# Altium PCB RTM_SFP.PcbDoc (part 3 of 7) (continued)
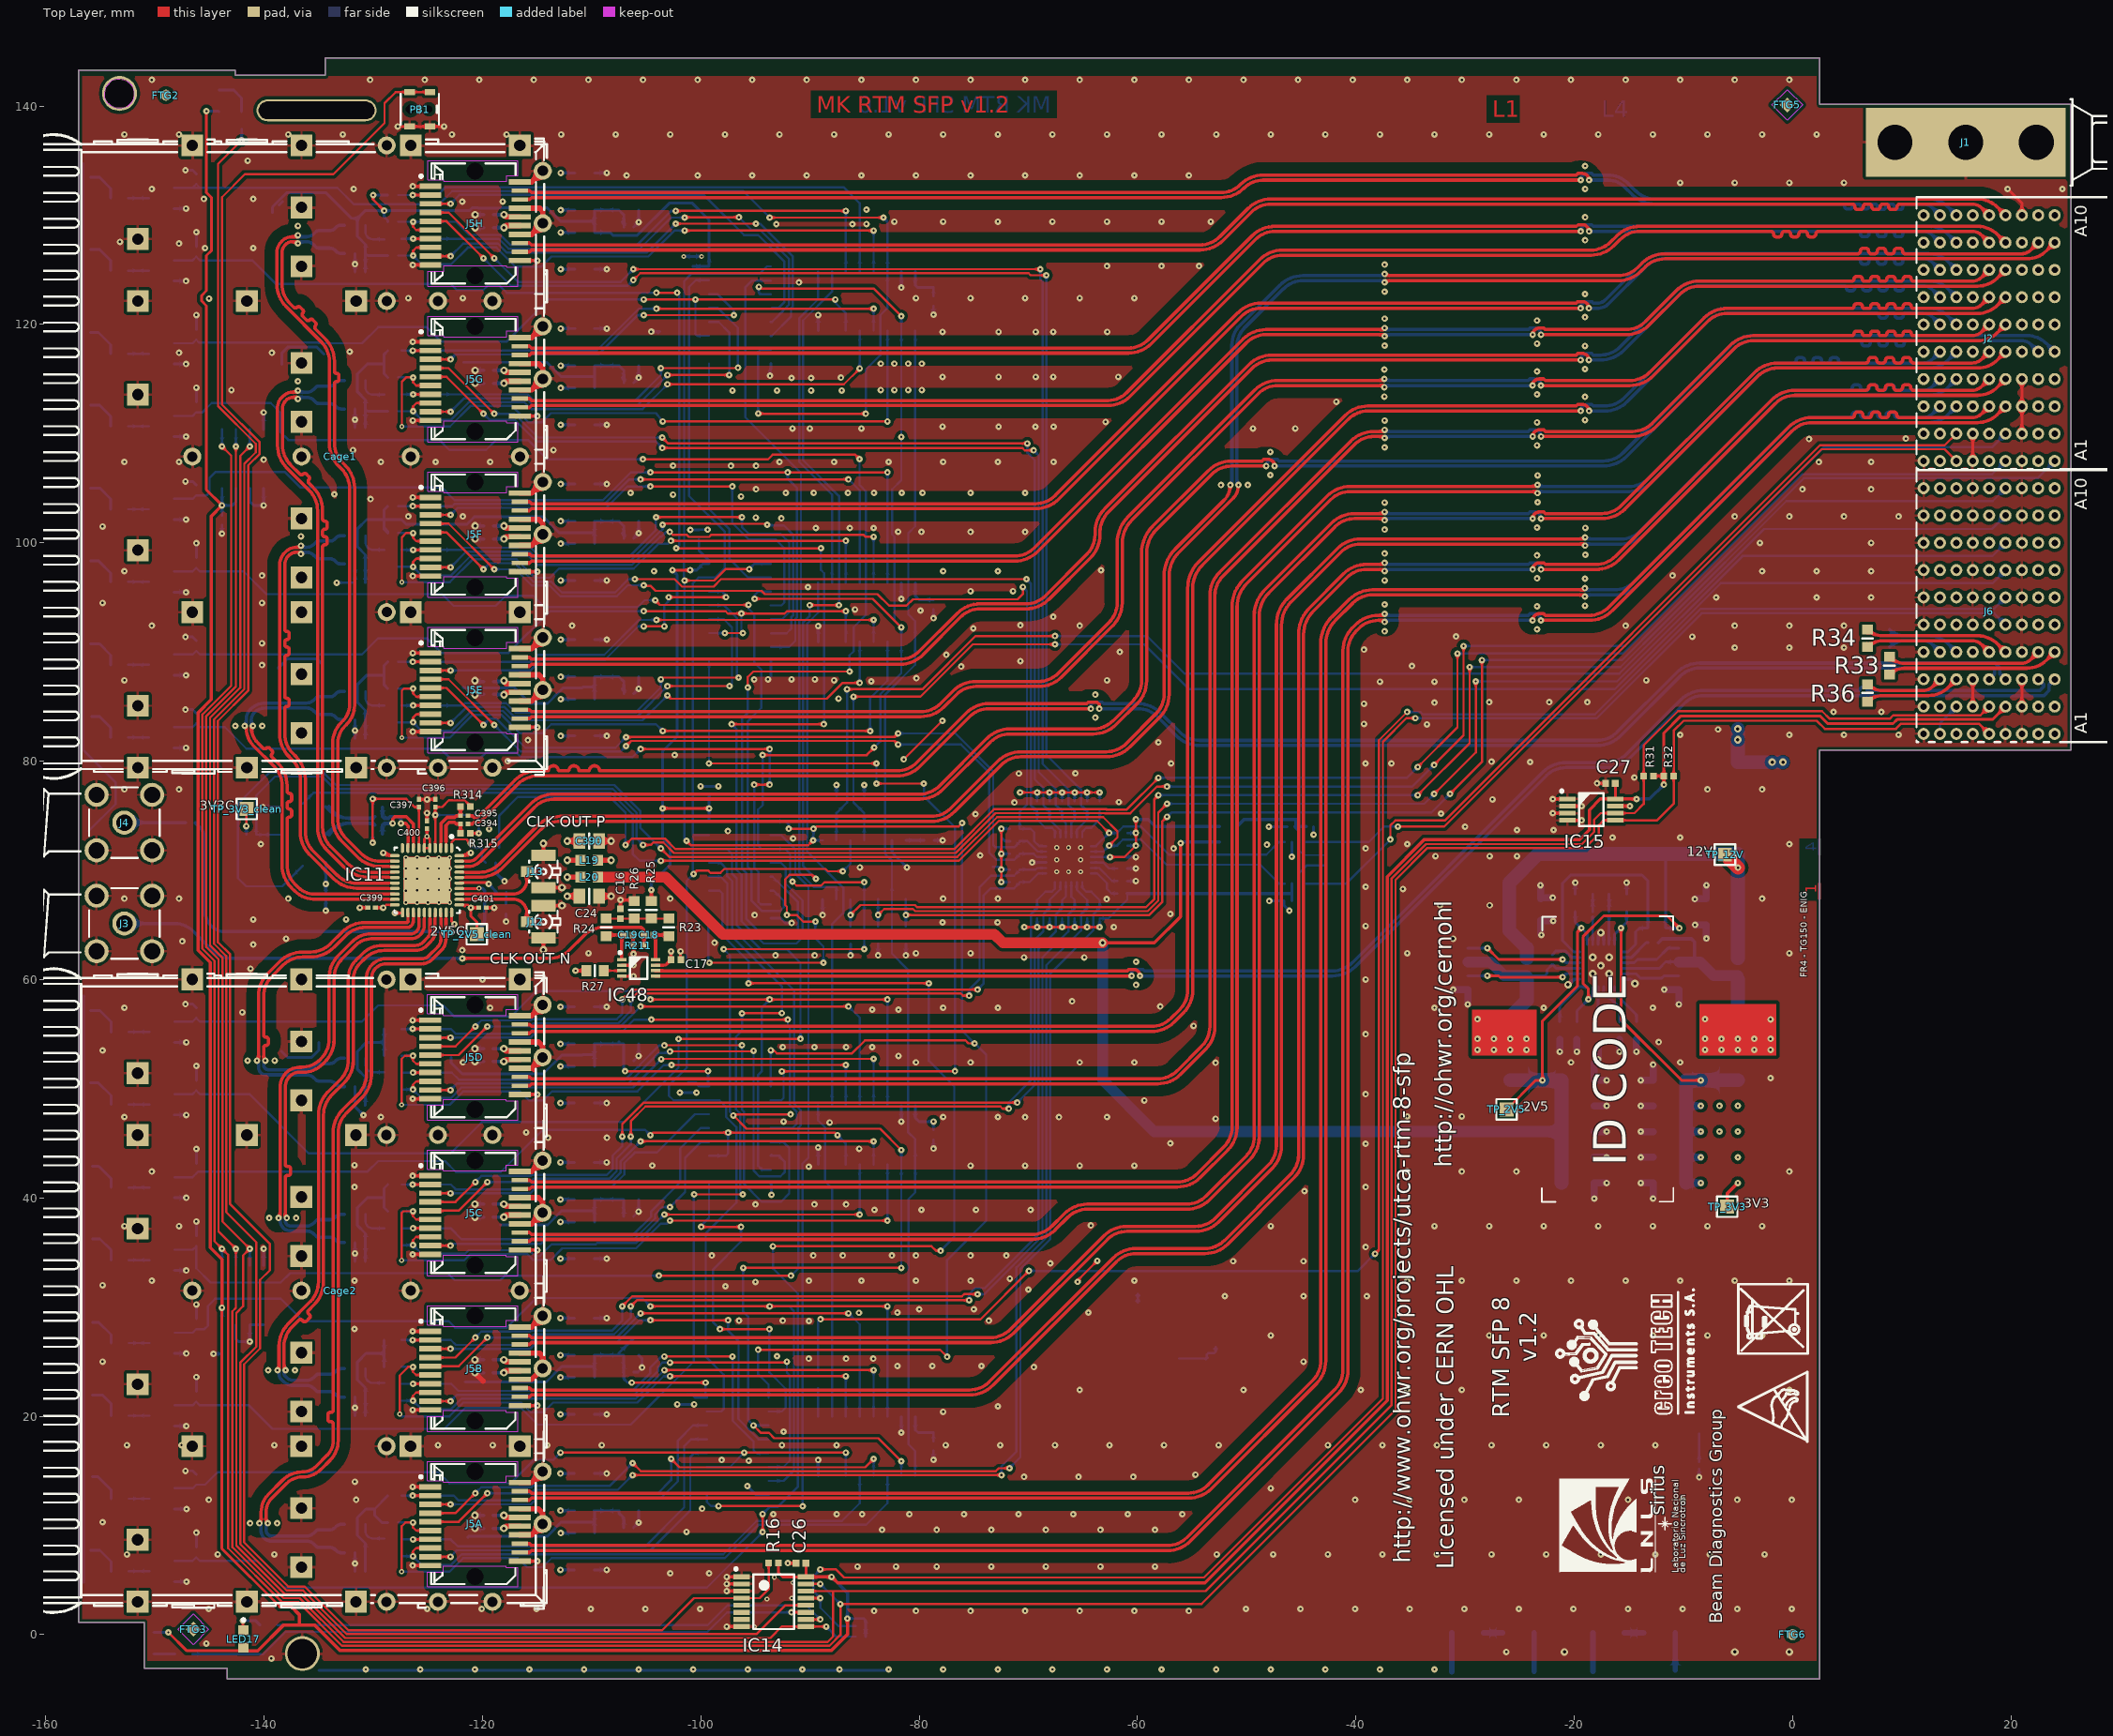
[diagram p0: Top Layer view]
## Nets (pads, with @x,y where several pads share a name; then routed paths per layer and width w, separated by ;. In a path a pad name is that pad's centre, name@x,y a point inside that pad or via, vN(x,y) a via of type N, cw(c..) or ccw(c..) an arc to the next point about the centre after c; other vN are vias at no path point) (continued)
  other v2: -20.9,-1.587 -5.3,-1.587 -0.3,-1.587 -18.31,60.53 -16.81,60.53 -17.56,61.28 -18.31,62.03 -16.81,62.03
  other v3: -95.086,0.725 -93.941,3.25 -91.675,3.335 -91.575,4.75 -93.275,5.25 -127.027,67.056 -126,67.056 -125,67.056 -124,67.056 -123,67.056 -127.027,68.125 -126,68.188 -125,68.19 -124,68.19 -123,68.19 -127.027,69.225 -124,69.225 -123,69.225 -67.415,69.875 -66.319,69.875 -65.219,69.87 -127.027,70.175 -126,70.175 -125,70.175 -124,70.173 -123,70.175 -67.415,70.975 -65.219,70.973 -127.027,71.154 -126,71.154 -125,71.154 -124,71.154 -123,71.154 -67.415,72.075 -66.319,72.075 -65.219,72.075
  other v5: -31.09,63.73 -27.75,66.8
I2C_RESETN: IC39.24 R28.1 | length 3.5
  Bottom Layer w0.203: IC39.24@-64.269,69.72 -63.7,69.72 -62.8,68.82 -62.8,68.28 -62.4,67.88 R28.1@-61.84,67.88
NetC5_1: C5.1 IC11.34 | length 40.7
  Top Layer w0.254: IC11.34@-122.08,68.34 -120.35,68.34 v6(-120.33,68.36)
  Bottom Layer w0.305: C5.1@-146.325,74.376 -145.877,73.928 cw(c-146.91,72.897) -145.45,72.897 -145.45,66.405 ccw(c-143.265,66.405) -144.81,64.86 ccw(c-143.651,66.019) -143.651,64.38 -121.046,64.38 ccw(c-121.046,65.626) -119.8,65.626 -119.8,68.01 ccw(c-120.15,68.01) -120.15,68.36 v6(-120.33,68.36)
NetC5_2: C5.2 J4.1 | length 5.6
  Bottom Layer w0.305: J4.1@-152.81,74.376 C5.2@-147.225,74.376
NetC11_1: C11.1 IC16.10 L1.1 T6.3 T6.7 T6.8 | length 20.8
  Bottom Layer w0.254: IC16.10@-15.61,61.03 -12.21,61.03 -11.625,61.615 T6.3@-10.42,61.615
  Bottom Layer w0.308: C11.1@-12.301,63.375 -11.946,63.73 -9.264,63.73 -8.986,63.452 -8.986,61.615
  Bottom Layer w1: T6.3@-10.42,61.615 -8.986,61.615 -8.485,61.615 -7.215,60.345 T6.7@-5.02,60.345
  Bottom Layer w1.27: L1.1@-5.02,55.99 L1.1@-5.02,56.57 T6.8@-5.02,59.075 -5.02,60.01
  other v1: -8.02,53.57 -6.52,53.57 -5.02,53.57 -3.52,53.57 -2.02,53.57 -8.02,54.57 -6.52,54.57 -5.02,54.57 -3.52,54.57 -2.02,54.57 -8.02,56.37 -2.02,56.36
NetC11_2: C11.2 IC16.8 | length 3
  Bottom Layer w0.254: IC16.8@-15.61,62.03 -14.75,62.03 -13.405,63.375 C11.2@-13.201,63.375
NetC16_1: C16.1 R23.1 R24.1 R25.2 R26.2 | length 5.3
  Top Layer w0.203: R24.1@-108.38,65.58 C16.1@-107.36,65.58 R26.2@-106.09,65.58 R25.2@-104.54,65.58 R23.1@-103.04,65.58
NetC18_1: C18.1 J3.1 R211.1 | length 51.1
  Top Layer w0.305: v1(-121.86,61.93) -113.872,61.93 ccw(c-113.872,64.47) -112.076,62.674 -110.714,64.036 cw(c-108.918,62.24) -108.918,64.78 -105.6,64.78 cw(c-105.6,64.393) -105.213,64.393 C18.1@-105.213,64.08 R211.1@-105.213,63.17
  Bottom Layer w0.305: J3.1@-152.81,65.136 -148.215,65.136 cw(c-148.215,62.725) -146.511,64.431 -144.754,62.674 ccw(c-142.958,64.47) -142.958,61.93 v1(-121.86,61.93)
NetC18_2: C18.2 IC48.8 R23.2 | length 3.5
  Top Layer w0.305: IC48.8@-104.15,61.81 -104.15,63.917 C18.2@-104.313,64.08 R23.2@-103.14,64.08
NetC19_2: C19.2 IC48.1 R24.2 | length 3.9
  Top Layer w0.305: R24.2@-108.68,63.98 -108.58,64.08 C19.2@-107.113,64.08 -107.25,63.943 IC48.1@-107.25,61.81
NetC28_1: C28.1 R29.1 | length 1
  Bottom Layer w0.254: R29.1@-117.836,66.96 C28.1@-117.829,68
NetC28_2: C28.2 IC11.35 | length 3.8
  Top Layer w0.254: IC11.35@-122.13,68.84 -122.106,68.864 -119.544,68.864 v1(-119.43,68.75)
  Bottom Layer w0.254: v1(-119.43,68.75) C28.2@-118.729,68
NetC29_1: C29.1 C31.1 IC17.3 L3.1 L4.1 R37.1 | length 13.7
  Bottom Layer w0.153: IC17.3@-45.225,72.59 -45.225,71.87 -44.754,71.4 R37.1@-42.8,71.4
  Bottom Layer w0.308: L4.1@-50.906,72.611 L3.1@-50.906,74 -50.231,74.675 -45.48,74.675 C29.1@-45.48,74 ; C29.1@-45.575,74 C29.1@-45.48,73.906 ; IC17.3@-45.225,72.59 -45.225,73.65 C29.1@-45.48,73.906 ; C31.1@-44.575,74 C29.1@-45.48,74 ; C29.1@-45.48,73.906 C29.1@-45.48,74
NetC207_2: C207.2 IC16.16 | length 2.5
  Bottom Layer w0.254: C207.2@-17.81,56.83 IC16.16@-17.81,59.33
NetC214A_1: C214A.1 C220A.1 J5A.16 L5A.2 | length 5.1
  Top Layer w0.5: v2(-118.048,10.92) -117.854,10.726 J5A.16@-116.59,10.726
  Bottom Layer w0.254: v1(-112.859,11.35) L5A.2@-111.564,11.35 ; v1(-112.859,14.75) C220A.1@-111.564,14.75
  Bottom Layer w0.3: C214A.1@-119.014,10.92 C214A.1@-119,10.92 v2(-118.048,10.92)
NetC214B_1: C214B.1 C220B.1 J5B.16 L5B.2 | length 5.1
  Top Layer w0.5: v2(-118.048,25.17) -117.854,24.976 J5B.16@-116.59,24.976
  Bottom Layer w0.254: v1(-112.859,25.6) L5B.2@-111.564,25.6 ; v1(-112.859,29) C220B.1@-111.564,29
  Bottom Layer w0.3: C214B.1@-119.014,25.17 C214B.1@-119,25.17 v2(-118.048,25.17)
NetC214C_1: C214C.1 C220C.1 J5C.16 L5C.2 | length 5.1
  Top Layer w0.5: v2(-118.048,39.42) -117.854,39.226 J5C.16@-116.59,39.226
  Bottom Layer w0.254: v1(-112.859,39.85) L5C.2@-111.564,39.85 ; v1(-112.859,43.25) C220C.1@-111.564,43.25
  Bottom Layer w0.3: C214C.1@-119.014,39.42 C214C.1@-119,39.42 v2(-118.048,39.42)
NetC214D_1: C214D.1 C220D.1 J5D.16 L5D.2 | length 5.1
  Top Layer w0.5: v2(-118.048,53.67) -117.854,53.476 J5D.16@-116.59,53.476
  Bottom Layer w0.254: v1(-112.859,54.1) L5D.2@-111.564,54.1 ; v1(-112.859,57.5) C220D.1@-111.564,57.5
  Bottom Layer w0.3: C214D.1@-119.014,53.67 C214D.1@-119,53.67 v2(-118.048,53.67)
NetC214E_1: C214E.1 C220E.1 J5E.16 L5E.2 | length 5.3
  Top Layer w0.5: v2(-118.03,87.38) -118.03,87.304 -118.034,87.3 -117.84,87.106 J5E.16@-116.575,87.106
  Bottom Layer w0.254: v1(-112.845,87.73) L5E.2@-111.55,87.73 ; v1(-112.845,91.13) C220E.1@-111.55,91.13
  Bottom Layer w0.3: C214E.1@-119,87.3 -118.034,87.3 -118.03,87.304 v2(-118.03,87.38)
NetC214F_1: C214F.1 C220F.1 J5F.16 L5F.2 | length 5.1
  Top Layer w0.5: v2(-118.034,101.55) -117.84,101.356 J5F.16@-116.575,101.356
  Bottom Layer w0.254: v1(-112.845,101.98) L5F.2@-111.55,101.98 ; v1(-112.845,105.38) C220F.1@-111.55,105.38
  Bottom Layer w0.3: C214F.1@-119,101.55 v2(-118.034,101.55)
NetC214G_1: C214G.1 C220G.1 J5G.16 L5G.2 | length 5.1
  Top Layer w0.5: v2(-118.034,115.8) -117.84,115.606 J5G.16@-116.575,115.606
  Bottom Layer w0.254: v1(-112.845,116.23) L5G.2@-111.55,116.23 ; v1(-112.845,119.63) C220G.1@-111.55,119.63
  Bottom Layer w0.3: C214G.1@-119,115.8 v2(-118.034,115.8)
NetC214H_1: C214H.1 C220H.1 J5H.16 L5H.2 | length 5.1
  Top Layer w0.5: v2(-118.034,130.05) -117.84,129.856 J5H.16@-116.575,129.856
  Bottom Layer w0.254: v1(-112.845,130.48) L5H.2@-111.55,130.48 ; v1(-112.845,133.88) C220H.1@-111.55,133.88
  Bottom Layer w0.3: C214H.1@-119,130.05 v2(-118.034,130.05)
NetC219A_1: C219A.1 C228A.1 J5A.15 L11A.2 | length 5.1
  Top Layer w0.5: v2(-118.048,9.735) -117.857,9.926 J5A.15@-116.59,9.926
  Bottom Layer w0.254: v1(-112.859,5.93) C219A.1@-111.564,5.93 ; v1(-112.845,9.3) L11A.2@-111.55,9.3
  Bottom Layer w0.3: C228A.1@-119.014,9.735 C228A.1@-119,9.735 v2(-118.048,9.735)
NetC219B_1: C219B.1 C228B.1 J5B.15 L11B.2 | length 5.1
  Top Layer w0.5: v2(-118.048,23.985) -117.857,24.176 J5B.15@-116.59,24.176
  Bottom Layer w0.254: v1(-112.859,20.18) C219B.1@-111.564,20.18 ; v1(-112.859,23.55) L11B.2@-111.564,23.55
  Bottom Layer w0.3: C228B.1@-119.014,23.985 C228B.1@-119,23.985 v2(-118.048,23.985)
NetC219C_1: C219C.1 C228C.1 J5C.15 L11C.2 | length 5.1
  Top Layer w0.5: v2(-118.048,38.235) -117.857,38.426 J5C.15@-116.59,38.426
  Bottom Layer w0.254: v1(-112.859,34.43) C219C.1@-111.564,34.43 ; v1(-112.859,37.8) L11C.2@-111.564,37.8
  Bottom Layer w0.3: C228C.1@-119.014,38.235 C228C.1@-119,38.235 v2(-118.048,38.235)
NetC219D_1: C219D.1 C228D.1 J5D.15 L11D.2 | length 5.1
  Top Layer w0.5: v2(-118.048,52.485) -117.857,52.676 J5D.15@-116.59,52.676
  Bottom Layer w0.254: v1(-112.859,48.68) C219D.1@-111.564,48.68 ; v1(-112.859,52.05) L11D.2@-111.564,52.05
  Bottom Layer w0.3: C228D.1@-119.014,52.485 C228D.1@-119,52.485 v2(-118.048,52.485)
NetC219E_1: C219E.1 C228E.1 J5E.15 L11E.2 | length 5.1
  Top Layer w0.5: v2(-118.03,86.09) -118.03,86.111 -118.034,86.115 -117.842,86.306 J5E.15@-116.575,86.306
  Bottom Layer w0.254: v1(-112.845,82.31) C219E.1@-111.55,82.31 ; v1(-112.845,85.68) L11E.2@-111.55,85.68
  Bottom Layer w0.3: C228E.1@-119,86.115 -118.034,86.115 -118.03,86.111 v2(-118.03,86.09)
NetC219F_1: C219F.1 C228F.1 J5F.15 L11F.2 | length 5.1
  Top Layer w0.5: v2(-118.034,100.365) -117.842,100.556 J5F.15@-116.575,100.556
  Bottom Layer w0.254: v1(-112.845,96.56) C219F.1@-111.55,96.56 ; v1(-112.845,99.93) L11F.2@-111.55,99.93
  Bottom Layer w0.3: C228F.1@-119,100.365 v2(-118.034,100.365)
NetC219G_1: C219G.1 C228G.1 J5G.15 L11G.2 | length 5.1
  Top Layer w0.5: v2(-118.034,114.615) -117.842,114.806 J5G.15@-116.575,114.806
  Bottom Layer w0.254: v1(-112.845,110.81) C219G.1@-111.55,110.81 ; v1(-112.845,114.18) L11G.2@-111.55,114.18
  Bottom Layer w0.3: C228G.1@-119,114.615 v2(-118.034,114.615)
NetC219H_1: C219H.1 C228H.1 J5H.15 L11H.2 | length 5.1
  Top Layer w0.5: v2(-118.034,128.865) -117.842,129.056 J5H.15@-116.575,129.056
  Bottom Layer w0.254: v1(-112.845,125.06) C219H.1@-111.55,125.06 ; v1(-112.845,128.43) L11H.2@-111.55,128.43
  Bottom Layer w0.3: C228H.1@-119,128.865 v2(-118.034,128.865)
NetC280_1: C280.1 IC16.21 L2.1 T5.3 T5.7 T5.8 | length 15.6
  Bottom Layer w0.254: T5.7@-24.35,60.345 -22.695,60.345 -22.5,60.54 -22.5,60.89 C280.1@-22.01,61.38 -21.66,61.03 IC16.21@-19.51,61.03
  Bottom Layer w1: T5.3@-29.75,61.615 -27.685,61.615 -26.415,60.345 T5.7@-24.35,60.345
  Bottom Layer w1.27: L2.1@-25.87,56.57 -24.35,58.09 T5.8@-24.35,59.075 -24.35,60.01
  other v1: -28.87,53.57 -27.37,53.57 -25.87,53.57 -24.37,53.57 -28.87,54.57 -27.37,54.57 -25.87,54.57 -24.37,54.57 -28.87,56.37
NetC280_2: C280.2 IC16.23 | length 2.9
  Bottom Layer w0.254: C280.2@-22.01,62.28 -21.66,62.63 -20.85,62.63 -20.25,62.03 IC16.23@-19.51,62.03
NetC386_2: C386.2 IC16.14 IC16.15 | length 4.9
  Bottom Layer w0.254: IC16.15@-17.31,59.33 -17.31,58.57 -17.13,58.39 -16.81,58.39 ; IC16.14@-16.81,59.33 -16.81,58.39 ; C386.2@-15.86,56.13 C386.2@-15.86,56.23 -15.86,57.44 -16.81,58.39
NetC392_1: C392.1 IC11.9 R313.2 | length 5.9
  Top Layer w0.254: IC11.9@-126.83,72.09 -126.83,72.621 -126.809,72.642
  Top Layer w0.305: v1(-127.475,74.31) -127.05,74.31 -126.809,74.069 -126.809,72.642
  Bottom Layer w0.305: R313.2@-129.16,75.77 C392.1@-129.16,74.92 -129.01,74.77 -128.63,74.77 -128.485,74.915 -127.717,74.915 -127.475,74.672 v1(-127.475,74.31)
NetC393_1: C393.1 IC11.8 R312.2 | length 6.5
  Top Layer w0.254: -126.351,72.642 -126.33,72.621 IC11.8@-126.33,72.09
  Top Layer w0.305: v1(-128.235,74.31) -128.235,74.712 -128.032,74.915 -126.988,74.915 -126.351,74.279 -126.351,72.642
  Bottom Layer w0.305: R312.2@-129.16,73.31 C393.1@-129.16,74.16 -129.01,74.31 v1@-128.443,74.31
NetC394_1: C394.1 IC11.2 R315.2 | length 4.4
  Top Layer w0.254: -123.351,72.642 -123.33,72.621 IC11.2@-123.33,72.09
  Top Layer w0.305: -123.351,72.642 -123.351,74.109 -123.064,74.396 -122.546,74.396 -122.399,74.25 C394.1@-122.02,74.25 R315.2@-122.02,73.4
NetC395_1: C395.1 IC11.3 R314.2 | length 5.1
  Top Layer w0.254: IC11.3@-123.83,72.09 -123.83,72.621 -123.809,72.642
  Top Layer w0.305: -123.809,72.642 -123.809,74.298 -123.253,74.854 -122.546,74.854 -122.399,75 C395.1@-122.02,75 R314.2@-122.02,75.85
NetC396_2: C396.2 IC11.4 R314.1 R315.1 | length 13.6
  Top Layer w0.203: IC11.4@-124.33,72.09 v1(-124.33,75.07) C396.2@-124.33,75.8 -123.7,75.8 -123.08,76.42 -121.631,76.42 -121.12,75.909 R314.1@-121.12,75.85 ; R315.1@-121.12,73.4 v1(-120.34,73.4)
  Bottom Layer w0.203: v1(-124.33,75.07) -120.76,75.07 -120.34,74.65 v1(-120.34,73.4)
NetC397_2: C397.2 IC11.7 R312.1 R313.1 | length 13.8
  Top Layer w0.203: v1(-130.06,72.53) v1(-130.06,76.55) -126.99,76.55 -126.24,75.8 C397.2@-125.83,75.8 IC11.7@-125.83,72.09
  Bottom Layer w0.203: v1(-130.06,72.53) R312.1@-130.06,73.31 ; R313.1@-130.06,75.77 v1(-130.06,76.55)
NetF1_1: F1.1 J6.A1 J6.A2 J6.B1 J6.B2 | length 7.2
  Bottom Layer w1.27: v2(-5.02,82.957) v2(-5.02,81.96) F1.1@-5.02,79.91 v2(-0.882,79.91)
  other v2: -1.88,79.91
NetIC1_2: IC1.2 IC2.1 IC5.1 IC7.1 IC9.1 | length 108.2
  Bottom Layer w0.203: IC9.1@-80.37,14.556 -80.37,16.83 -80.99,17.45 -80.99,39.87 -80.37,40.49 IC7.1@-80.37,43.056 -80.37,45.38 -81.03,46.04 -81.03,60.9 -82.5,62.37 IC1.2@-82.5,67.35 -82.5,70.89 -83.14,71.53 -83.14,86.057 -80.37,88.827 IC5.1@-80.37,90.936 -80.37,92.82 -81,93.45 -81,100.88 -80.37,101.51 IC2.1@-80.37,119.436
NetIC1_4: IC1.4 IC2.2 IC3.3 IC4.3 IC5.2 IC6.3 IC7.2 IC8.3 IC9.2 IC10.3 | length 221.2
  Top Layer w0.203: v1(-97.91,62.78) v1(-85.04,62.78) ; v1(-97.03,47.552) -95.807,46.329 -87.577,46.329 -83.589,46.329 v1(-81.64,44.38) ; v1@-96.923,47.652 v1(-91.779,47.652) ; v1(-96.125,33.59) v1(-81.64,33.59) ; v1(-95.187,19.161) -94.516,18.49 -93.78,18.49 -93.27,17.98 -83.74,17.98 v1(-81.64,15.88) ; v1(-95.072,94.87) -84.25,94.87 v1(-81.64,92.26) ; v1(-94.691,123.444) -94.543,123.296 -90.796,123.296 -84.176,123.296 v1(-81.64,120.76) ; v1(-94.34,80.56) -84.81,80.56 v1(-84.12,81.25) ; v1(-91.611,68.975) -91.236,68.6 -89,68.6 -88.69,68.91 v1(-85.04,68.91)
  Bottom Layer w0.203: v1(-97.91,62.78) -97.34,62.21 -97.34,47.886 -97.03,47.576 v1(-97.03,47.552) ; v1(-96.125,33.59) -96.125,29.575 -95.676,29.126 -95.676,19.65 v1(-95.187,19.161) IC8.3@-93.8,19.161 ; v1(-95.072,94.87) -95.072,95.225 -94.755,95.541 IC4.3@-93.6,95.541 ; v1(-94.691,123.444) -94.691,122.882 -94.59,122.78 IC3.3@-93.6,122.78 ; v1(-94.34,80.56) -94.34,75.981 -94.76,75.561 -94.76,72.285 -94.43,71.955 IC10.3@-93.6,71.955 -92.28,71.955 -91.825,71.5 -91.825,69.189 v1(-91.611,68.975) ; IC6.3@-93.6,47.661 -93.591,47.652 v1(-91.779,47.652) ; v1(-85.04,62.78) IC1.4@-85.04,67.35 v1(-85.04,68.91) ; v1(-84.12,81.25) -83.568,81.802 -83.568,86.132 -81.64,88.06 IC5.2@-81.64,90.936 v1(-81.64,92.26) -82.268,92.888 -82.268,100.555 -82.484,100.771 -82.484,104.892 -81.64,105.736 v1(-81.64,109.7) IC2.2@-81.64,119.436 v1(-81.64,120.76) ; IC9.2@-81.64,14.556 v1(-81.64,15.88) ; v1(-81.64,33.59) IC7.2@-81.64,43.056 v1(-81.64,44.38)
NetIC1_6: IC1.6 IC3.2 | length 63.4
  Bottom Layer w0.203: IC3.2@-93.6,124.025 -95.297,124.025 -95.936,123.386 -95.936,111.514 -90.83,106.408 -90.83,93.043 -90.991,92.882 -90.991,69.833 -89.66,68.503 -89.66,68.48 -87.58,68.48 IC1.6@-87.58,67.35
NetIC1_8: IC1.8 IC3.1 IC4.1 IC6.1 IC8.1 IC10.1 | length 196.9
  Top Layer w0.203: v1(-101.498,96.545) -98.786,96.545 -97.744,97.587 v1(-95.58,97.587) ; v1(-101.32,72.7) -100.922,72.302 -90.168,72.302 v1(-89.72,72.75) ; v1@-94.767,26.078 v1(-94.76,26.086) -78.08,26.086 v1(-77.445,25.451) ; v1(-93.6,53.519) -93.321,53.519 -93.04,53.238 -86.152,53.238 -84.958,54.432 -75.77,54.432 -75.491,54.153 v1(-74.93,54.153) ; v1(-91.945,73.805) v1(-89.69,73.805) -89.62,73.805 -89.4,74.025 -76.384,74.025 v1(-76.07,74.339)
  Bottom Layer w0.203: v1(-101.32,72.7) -101.498,72.878 v1(-101.498,96.545) -101.544,96.591 -101.544,99.306 -101.525,99.325 -101.525,123.975 -100.834,124.666 -94.595,124.666 -93.941,125.32 IC3.1@-93.6,125.32 ; v1(-95.58,97.587) -95.086,98.081 IC4.1@-93.6,98.081 ; v1(-94.76,26.086) -94.76,23.86 -93.8,22.9 IC8.1@-93.8,21.701 ; IC6.1@-93.6,50.201 v1(-93.6,53.519) ; IC10.1@-93.6,74.495 -92.245,74.495 -91.945,74.195 v1(-91.945,73.805) ; v1(-89.69,73.805) -89.69,73.285 -89.72,73.255 v1(-89.72,72.75) IC1.8@-88.85,72.75 ; v1(-77.445,25.451) -77.445,34.318 -73.863,37.9 -73.863,53.111 -74.905,54.153 v1(-74.93,54.153) -76.07,55.293 v1(-76.07,74.339)
NetIC1_10: IC1.10 IC3.15 IC4.15 IC6.15 IC8.15 IC10.15 | length 136.5
  Top Layer w0.203: v1(-100.67,69.67) -100.35,69.99 -99.34,69.99 -99.121,69.771 -98.217,69.771 -97.863,70.125 -88.575,70.125 -88.37,69.92 v1(-87,69.92)
  Bottom Layer w0.203: IC8.15@-99.45,20.431 -98.128,20.431 -97.91,20.65 -97.91,23.803 -99.553,25.447 -99.553,36.768 -96.75,39.572 -96.75,40.409 -96.75,46.49 -97.695,47.434 -97.695,48.336 -98.29,48.931 IC6.15@-99.25,48.931 -102.5,48.931 -102.937,49.368 -102.937,50.276 -101.286,51.926 -101.286,69.054 v1(-100.67,69.67) -100.725,69.725 -100.725,73.225 ; IC10.15@-99.25,73.225 -100.725,73.225 ; IC3.15@-99.25,124.05 -100.45,124.05 -101.075,123.425 -101.075,104.275 -97.802,101.002 -97.802,97.707 -98.698,96.811 IC4.15@-99.25,96.811 -100.216,96.811 -100.725,96.303 -100.725,73.225 ; v1(-87,69.92) -86.31,70.61 IC1.10@-86.31,72.75
NetIC2_9: IC2.9 IC5.10 | length 30.5
  Bottom Layer w0.203: IC2.9@-89.26,124.836 -89.26,122.29 -91,120.55 -91,107.433 -87.99,104.423 IC5.10@-87.99,96.336
NetIC2_10: IC2.10 IC10.9 | length 89.5
  Top Layer w0.203: v1(-99.224,61.544) v1(-88.77,61.544) ; v1(-90.03,94.29) v1(-87.35,94.29) ; v1(-89.51,65.303) -90.617,65.303 -91.214,65.9 v1(-92.125,65.9) -92.125,66.674 -92.278,66.827 -92.278,69.189 -91.875,69.592 -89.833,69.592 v1(-89.465,69.225)
  Bottom Layer w0.203: IC10.9@-99.25,65.605 -99.304,65.551 -99.304,61.624 v1(-99.224,61.544) ; v1(-90.03,94.29) -90.03,93.332 -90.629,92.732 -90.629,70.389 v1(-89.465,69.225) ; v1(-89.51,65.303) -89.51,63.76 -88.77,63.02 v1(-88.77,61.544) ; IC2.10@-87.99,124.836 -87.99,123.015 -90.645,120.36 -90.645,107.58 -87.35,104.285 v1(-87.35,94.29)
NetIC3_9: IC3.9 IC4.2 | length 23.2
  Bottom Layer w0.203: IC3.9@-99.25,116.43 -99.25,103.09 -97.375,101.215 -97.375,98.518 -95.668,96.811 IC4.2@-93.6,96.811
NetIC4_9: IC4.9 IC6.2 | length 78.1
  Top Layer w0.203: v1(-99.263,79.79) v1(-83.925,79.79) ; v1(-92.583,51.587) -76.738,51.587 v1(-76.725,51.6) ; v1(-83.925,77.948) v1(-79.575,77.948)
  Bottom Layer w0.203: v1(-99.263,79.79) -99.25,79.803 IC4.9@-99.25,89.191 ; IC6.2@-93.6,48.931 -92.637,48.931 -92.419,49.149 -92.419,51.423 v1(-92.583,51.587) ; v1(-83.925,77.948) v1(-83.925,79.79) ; v1(-79.575,77.948) -79.575,76.8 -76.725,73.95 v1(-76.725,51.6)
NetIC5_9: IC5.9 IC7.10 | length 50.1
  Bottom Layer w0.203: IC5.9@-89.26,96.336 -89.26,93.599 -90.244,92.615 -90.244,73.009 -90.274,72.979 -90.274,71.734 -86.96,68.42 -86.96,66.08 -87.99,65.05 IC7.10@-87.99,48.456
NetIC6_9: IC6.9 IC8.2 | length 32.7
  Top Layer w0.203: v1(-99.974,37.338) v1(-96.325,37.338) ; v1(-98.25,27.975) v1(-93.725,27.975)
  Bottom Layer w0.203: v1(-99.974,37.338) -99.974,37.44 -99.25,38.164 IC6.9@-99.25,41.311 ; v1(-98.25,27.975) -98.88,28.605 -98.88,33.451 -96.325,36.006 v1(-96.325,37.338) ; IC8.2@-93.8,20.431 -92.58,20.431 -92.225,20.786 -92.225,22.52 -93.725,24.02 v1(-93.725,27.975)
NetIC7_9: IC7.9 IC9.10 | length 29
  Bottom Layer w0.203: IC7.9@-89.26,48.456 -89.26,47.1 -88.62,46.46 -88.62,41.5 -87.99,40.87 IC9.10@-87.99,19.956